# Altium PCB uTCA_MCH_PCB3.pcbdoc (part 8 of 25)
Units mil, origin at the board's own origin, x right, y up, seen from the top; angles counter-clockwise.
Board outline 7110.66 x 2894.12 mil, 12 copper layers (Top Layer, GND1, MidLayer1, PWR1, MidLayer2, GND2, PWR2, MidLayer3, GND3, MidLayer4, PWR3, Bottom Layer), stack 63.15 mil thick; 767 components, 905 nets, 4553 pads, 2832 vias.
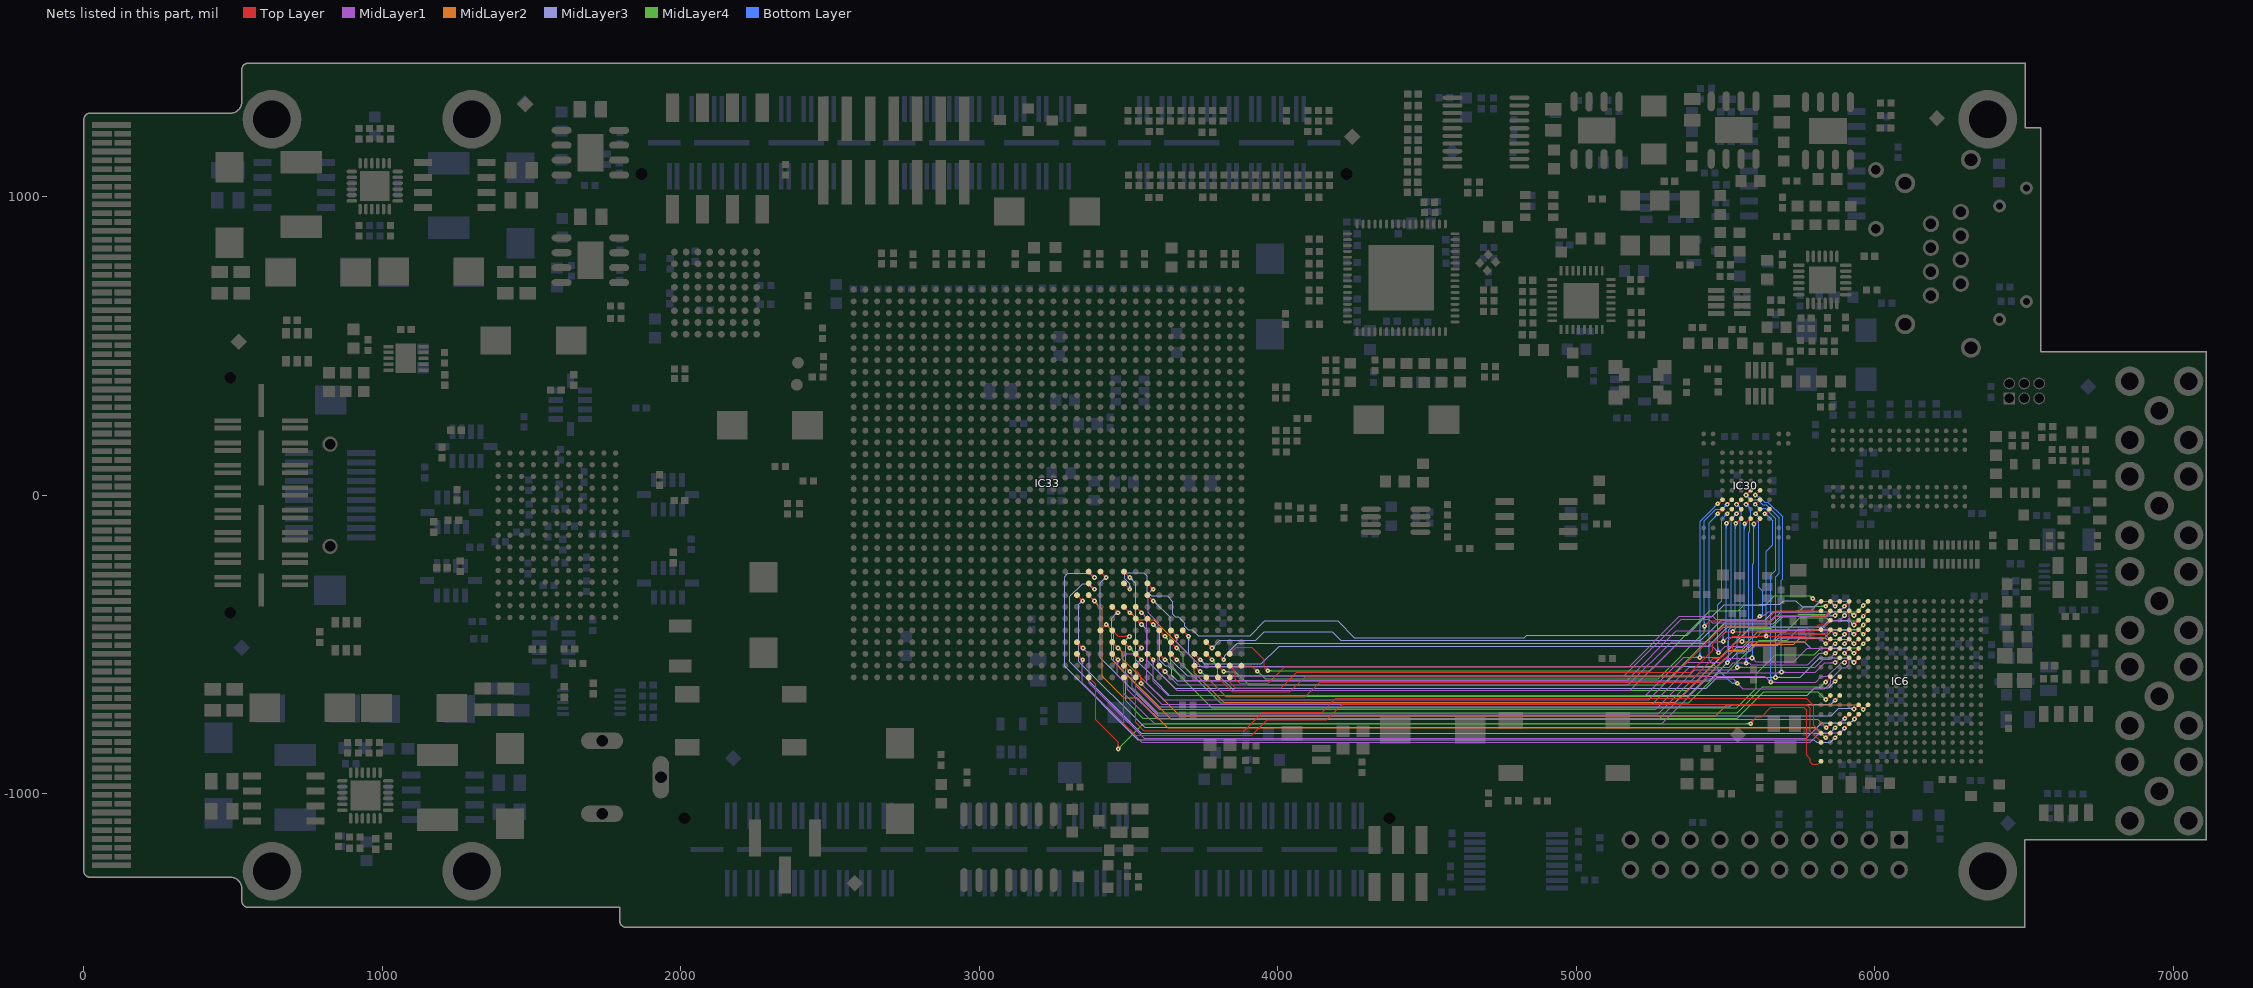
[diagram p18: the nets of this part, all layers, seen from the top]

## Via types
v1: diameter 15.75, hole 5.91, Top Layer to Bottom Layer, tented both sides, 2480 vias
v2: diameter 23.62, hole 11.81, Top Layer to Bottom Layer, tented both sides, 325 vias
v3: diameter 20, hole 10, Top Layer to Bottom Layer, tented both sides, 16 vias
v4: diameter 15.75, hole 7.87, Top Layer to Bottom Layer, tented both sides, 9 vias
v5: diameter 23.62, hole 11.81, Top Layer to Bottom Layer, 1 vias
v6: diameter 15.75, hole 5.91, Top Layer to Bottom Layer, 1 vias

## Nets (pads, with @x,y where several pads share a name; then routed paths per layer and width w, separated by ;. In a path a pad name is that pad's centre, name@x,y a point inside that pad or via, vN(x,y) a via of type N, cw(c..) or ccw(c..) an arc to the next point about the centre after c; other vN are vias at no path point) (continued)
EBI1_A1: IC6.F14 IC33.H30 | length 2751.5
  Top Layer w3.94: IC33.H30@3602.36,-452.76 v1(3622.05,-472.44) ; v1@3616.14,-472.44 ccw(c3601.88,-472.44) 3611.97,-462.36 ccw(c3622.05,-452.28) v1@3622.05,-466.54 ; v1(5961.34,-497.5) IC6.F14@5977.09,-481.75 ; v1@5961.34,-491.59 ccw(c5961.34,-477.33) 5971.42,-487.41 ccw(c5981.5,-497.5) v1@5967.24,-497.5
  MidLayer4 w3.94: v1@3620.08,-472.44 3641.73,-494.09 3641.73,-574.53 3778.66,-711.46 5537.54,-711.46 5602.33,-646.67 5602.33,-598.33 5665.83,-534.83 5797.17,-534.83 5821,-511 5947.83,-511 v1(5961.34,-497.5) ; v1@3622.05,-478.35 cw(c3622.05,-487.85) 3628.77,-481.13 ; v1@3624.02,-472.44 ccw(c3633.52,-472.44) 3626.8,-479.16 ; v1@3627.95,-472.44 ccw(c3646.96,-472.44) 3633.52,-485.88 ; v1@5955.43,-497.5 cw(c5941.18,-497.5) 5951.26,-507.58 cw(c5961.34,-517.66) v1@5961.34,-503.4
EBI1_A2: IC6.F18 IC33.D32 | length 2512.8
  Top Layer w3.94: IC33.D32@3759.84,-531.5 v1(3779.53,-551.18) ; v1@3773.62,-551.18 ccw(c3759.36,-551.18) 3769.45,-541.1 ccw(c3779.53,-531.02) v1@3779.53,-545.28 ; v1@5961.33,-367.57 ccw(c5961.33,-358.04) 5968.07,-364.78 ; v1@5961.33,-363.64 ccw(c5961.33,-344.6) IC6.F18@5974.79,-358.06 ; v1@5963.31,-369.54 IC6.F18@5977.09,-355.76 ; v1@5967.23,-369.54 cw(c5976.71,-369.54) 5970.01,-362.84
  MidLayer4 w3.94: v1@3777.56,-551.18 3799.21,-572.83 3799.21,-601.34 3851.97,-654.09 5371.5,-654.09 5486.22,-539.37 ; v1@3779.53,-557.09 cw(c3779.53,-566.59) 3786.25,-559.87 ; v1@3781.5,-551.18 ccw(c3791,-551.18) 3784.28,-557.9 ; v1@3785.43,-551.18 ccw(c3804.44,-551.18) 3791,-564.62 ; 5486.22,-539.32 5580.66,-444.88 5653,-444.88 5691.33,-406.55 5735.74,-406.55 5744.34,-397.95 5849.4,-397.95 5857.67,-389.68 5941.19,-389.68 v1(5961.33,-369.54) ; v1@5955.42,-369.54 cw(c5941.16,-369.54) 5951.25,-379.62 cw(c5961.33,-389.71) v1@5961.33,-375.45
EBI1_A3: IC6.F15 IC33.G31 | length 2644.5
  Top Layer w3.94: IC33.G31@3641.73,-492.13 v1(3661.42,-511.81) ; v1@3655.51,-511.81 ccw(c3641.26,-511.81) 3651.34,-501.73 ccw(c3661.42,-491.65) v1@3661.42,-505.91 ; v1(5961.34,-466) IC6.F15@5977.09,-450.25 ; v1@5961.34,-460.09 ccw(c5961.34,-445.84) 5971.42,-455.92 ccw(c5981.5,-466) v1@5967.24,-466
  MidLayer4 w3.94: v1@3661.42,-517.72 cw(c3661.42,-531.97) 3671.5,-521.89 cw(c3681.58,-511.81) v1@3667.32,-511.81 ; v1(3661.42,-511.81) 3683.07,-533.46 3683.07,-570.91 3806.93,-694.76 5376.24,-694.76 5476.79,-594.21 5503.84,-594.21 5612.05,-486 5706,-486 5741,-451 5946.34,-451 v1(5961.34,-466) ; v1@5955.43,-466 ccw(c5941.18,-466) 5951.26,-455.92 ccw(c5961.34,-445.84) v1@5961.34,-460.09
EBI1_A4: IC6.E14 IC33.J27 | length 2736
  Top Layer w3.94: IC33.J27@3564.96,-336.61 v1(3582.68,-354.33) ; v1@3576.77,-354.33 ccw(c3562.51,-354.33) 3572.6,-344.25 ccw(c3582.68,-334.17) v1@3582.68,-348.43 ; v1(5929.84,-497.5) IC6.E14@5945.59,-481.75 ; v1@5929.84,-491.59 ccw(c5929.84,-477.33) 5939.92,-487.41 ccw(c5950.01,-497.5) v1@5935.75,-497.5
  MidLayer3 w3.94: v1@3582.68,-360.24 cw(c3582.68,-379.25) 3596.12,-365.8 ; v1@3582.68,-356.3 cw(c3582.68,-365.8) 3589.4,-359.08 ; v1@3584.65,-354.33 3639.76,-409.45 3639.76,-549.21 3695.86,-605.31 5440.69,-605.31 5529,-517 5556,-517 5584,-489 5667,-489 5677.8,-478.2 5834.2,-478.2 5838,-482 5914.35,-482 v1(5929.84,-497.5) ; v1@3588.58,-354.33 ccw(c3598.09,-354.33) 3591.37,-361.05 ; v1@5923.94,-497.5 ccw(c5909.68,-497.5) 5919.76,-487.41 ccw(c5929.84,-477.33) v1@5929.84,-491.59
EBI1_A5: IC6.F17 IC33.E33 | length 2530.1
  Top Layer w3.94: IC33.E33@3720.47,-570.87 v1(3740.16,-590.55) ; v1@3734.25,-590.55 ccw(c3719.99,-590.55) 3730.08,-580.47 ccw(c3740.16,-570.39) v1@3740.16,-584.65 ; v1@5961.33,-403.01 IC6.F17@5977.09,-387.26 ; v1@5961.33,-399.07 ccw(c5961.33,-389.57) 5968.05,-396.29 ; v1@5963.3,-404.98 cw(c5972.8,-404.98) 5966.08,-398.25 ; v1@5967.23,-404.98 cw(c5986.24,-404.98) IC6.F17@5972.8,-391.53
  MidLayer4 w3.94: v1@3740.16,-596.46 cw(c3740.16,-615.47) 3753.6,-602.02 ; v1@3740.16,-592.52 cw(c3740.16,-602.02) 3746.88,-595.3 ; v1@3740.16,-588.58 3757.87,-606.3 ; v1@3746.06,-590.55 ccw(c3755.57,-590.55) 3748.85,-597.27 ; 3757.99,-606.3 3824.88,-673.19 5373.81,-673.19 5537,-510 5556,-510 5608,-458 5701,-458 5749,-410 5837,-410 5847,-420 5946.3,-420 v1(5961.33,-404.98) ; v1@5955.42,-404.98 cw(c5941.16,-404.98) 5951.25,-415.06 cw(c5961.33,-425.14) v1@5961.33,-410.88
EBI1_A6: IC6.F16 IC33.L28 | length 2860.2
  Top Layer w3.94: IC33.L28@3484.25,-374.02 v1(3503.94,-393.7) ; v1@3498.03,-393.7 ccw(c3483.77,-393.7) 3493.86,-383.62 ccw(c3503.94,-373.54) v1@3503.94,-387.8 ; v1(5961.34,-434.5) IC6.F16@5977.09,-418.76 ; v1@5961.34,-428.6 ccw(c5961.34,-414.34) 5971.42,-424.42 ccw(c5981.5,-434.5) v1@5967.24,-434.5
  MidLayer2 w3.94: v1@3503.94,-399.61 cw(c3503.94,-420.99) 3519.06,-405.87 ; v1@3503.94,-395.67 cw(c3503.94,-407.55) 3512.34,-399.15 ; v1@3505.91,-392.72 3529.53,-416.34 3584.04,-416.34 3720.47,-552.77 3720.47,-594.29 3819.13,-692.95 5332.05,-692.95 5504.92,-520.08 5563.8,-520.08 5584.04,-499.84 5728.44,-499.84 5748.45,-479.83 5830.11,-479.83 5860.5,-449.44 5946.4,-449.44 v1(5961.34,-434.5) ; v1@3509.84,-393.7 ccw(c3516.97,-393.7) 3511.93,-398.74 ; v1@5955.43,-434.5 cw(c5941.18,-434.5) 5951.26,-444.59 cw(c5961.34,-454.67) v1@5961.34,-440.41
EBI1_A7: IC6.E17 IC33.D31 | length 2367.7
  Top Layer w3.94: IC33.D31@3761.8,-494.09 v1(3779.52,-511.81) ; v1@3773.61,-511.81 ccw(c3759.36,-511.81) 3769.44,-501.73 ccw(c3779.52,-491.65) v1@3779.52,-505.9 ; v1(5929.84,-403.01) IC6.E17@5945.59,-387.26 ; v1@5929.84,-397.1 ccw(c5929.84,-382.85) 5939.92,-392.93 ccw(c5950.01,-403.01) v1@5935.75,-403.01
  MidLayer3 w3.94: v1(3779.52,-511.81) 3805.11,-486.22 3925.2,-486.22 3954.72,-456.69 4181.96,-456.69 4211.41,-486.14 4763.86,-486.14 4834.22,-486.13 4834.33,-486.24 5417.49,-486.24 5485.31,-418.42 5631.49,-418.42 5660.15,-389.76 5916.59,-389.76 v1(5929.84,-403.01) ; v1@3779.52,-505.9 ccw(c3779.52,-491.65) 3789.6,-501.73 ccw(c3799.68,-511.81) v1@3785.43,-511.81 ; v1@5923.94,-403.01 ccw(c5909.68,-403.01) 5919.76,-392.93 ccw(c5929.84,-382.85) v1@5929.84,-397.1
EBI1_A8: IC6.E15 IC33.F30 | length 2507.1
  Top Layer w3.94: IC33.F30@3683.07,-454.72 v1(3700.79,-472.44) ; v1@3694.88,-472.44 ccw(c3680.62,-472.44) 3690.71,-462.36 ccw(c3700.79,-452.28) v1@3700.79,-466.54 ; v1(5929.83,-466) IC6.E15@5945.59,-450.25 ; v1@5929.83,-460.09 ccw(c5929.83,-445.84) 5939.91,-455.92 ccw(c5949.99,-466) v1@5935.74,-466
  MidLayer3 w3.94: v1@3696.61,-476.62 cw(c3686.53,-486.7) 3700.79,-486.7 cw(c3715.04,-486.7) v1@3704.96,-476.62 ; v1(3700.79,-472.44) 3700.79,-531.1 3720.08,-550.39 3720.08,-564.96 3727.95,-572.83 5454.35,-572.83 5576.18,-451 5914.83,-451 v1(5929.83,-466) ; v1@5923.93,-466 ccw(c5909.67,-466) 5919.75,-455.92 ccw(c5929.83,-445.84) v1@5929.83,-460.09
EBI1_A9: IC6.E16 IC33.E32 | length 2402
  Top Layer w3.94: IC33.E32@3720.47,-531.5 v1(3740.16,-551.18) ; v1@3734.25,-551.18 ccw(c3719.99,-551.18) 3730.08,-541.1 ccw(c3740.16,-531.02) v1@3740.16,-545.28 ; v1(5929.84,-434.5) IC6.E16@5945.59,-418.76 ; v1@5929.84,-428.6 ccw(c5929.84,-414.34) 5939.92,-424.42 ccw(c5950.01,-434.5) v1@5935.75,-434.5
  MidLayer3 w3.94: v1@3740.16,-557.09 cw(c3740.16,-571.34) 3750.24,-561.26 cw(c3760.32,-551.18) v1@3746.06,-551.18 ; v1(3740.16,-551.18) 3753.94,-564.96 3944.72,-564.96 4003.78,-505.91 5442.09,-505.91 5507,-441 5826,-441 5848,-419 5914.34,-419 v1(5929.84,-434.5) ; v1@5923.94,-434.5 ccw(c5909.68,-434.5) 5919.76,-424.42 ccw(c5929.84,-414.34) v1@5929.84,-428.6
EBI1_A10: IC6.D18 IC33.G32 | length 2505.4
  Top Layer w3.94: IC33.G32@3641.73,-531.5 v1(3661.42,-551.18) ; v1@3655.51,-551.18 ccw(c3641.26,-551.18) 3651.34,-541.1 ccw(c3661.42,-531.02) v1@3661.42,-545.28 ; v1(5898.35,-371.51) IC6.D18@5914.09,-355.76 ; v1@5898.35,-365.61 ccw(c5898.35,-351.35) 5908.43,-361.43 ccw(c5918.51,-371.51) v1@5904.25,-371.51
  MidLayer1 w3.94: v1@3661.42,-557.09 cw(c3661.42,-571.34) 3671.5,-561.26 cw(c3681.58,-551.18) v1@3667.32,-551.18 ; v1(3661.42,-551.18) 3714.76,-604.53 5161.22,-604.53 5351.02,-414.72 5443.39,-414.72 5455.72,-427.05 5643.97,-427.05 5665.11,-405.91 5836.62,-405.91 5854.53,-388 5881.86,-388 v1(5898.35,-371.51) ; v1@5892.44,-371.51 cw(c5878.18,-371.51) 5888.27,-381.59 cw(c5898.35,-391.67) v1@5898.35,-377.42
EBI1_A11: IC6.D17 IC33.H32 | length 2531.6
  Top Layer w3.94: IC33.H32@3602.36,-531.5 v1(3622.05,-551.18) ; v1@3616.14,-551.18 ccw(c3601.88,-551.18) 3611.97,-541.1 ccw(c3622.05,-531.02) v1@3622.05,-545.28 ; v1(5898.35,-403.01) IC6.D17@5914.09,-387.26 ; v1@5898.35,-397.1 ccw(c5898.35,-382.85) 5908.43,-392.93 ccw(c5918.51,-403.01) v1@5904.25,-403.01
  MidLayer1 w3.94: v1@3622.05,-557.09 cw(c3622.05,-571.34) 3632.13,-561.26 cw(c3642.21,-551.18) v1@3627.95,-551.18 ; v1(3622.05,-551.18) 3690.08,-619.21 5170.16,-619.21 5334.65,-454.72 5480.31,-454.72 5492.13,-442.91 ; 5493.81,-441.75 5831.25,-441.75 5854,-419 5882.35,-419 v1(5898.35,-403.01) ; v1@5892.44,-403.01 cw(c5878.18,-403.01) 5888.27,-413.09 cw(c5898.35,-423.17) v1@5898.35,-408.91
EBI1_A12: IC6.C18 IC33.L26 | length 2848.6
  Top Layer w3.94: IC33.L26@3484.25,-295.28 v1(3503.94,-314.96) ; v1@3498.03,-314.96 ccw(c3483.77,-314.96) 3493.86,-304.88 ccw(c3503.94,-294.8) v1@3503.94,-309.06 ; v1(5866.85,-371.51) IC6.C18@5882.6,-355.76 ; v1@5866.85,-365.61 ccw(c5866.85,-351.35) 5876.93,-361.43 ccw(c5887.01,-371.51) v1@5872.76,-371.51
  MidLayer3 w3.94: v1@3499.76,-310.78 ccw(c3489.68,-300.7) 3503.94,-300.7 ccw(c3518.19,-300.7) v1@3508.11,-310.78 ; v1(3503.94,-314.96) 3503.94,-296.72 3487.03,-279.81 3487.03,-264.94 3492.13,-259.84 3551.18,-259.84 3562.99,-271.65 3562.99,-324.02 3576.38,-337.4 3590.16,-337.4 ; 3585.98,-337.42 3629.05,-337.42 3647.64,-356.01 3647.64,-398.02 3656.12,-406.5 3665.95,-406.5 3687.99,-428.54 3687.99,-438.37 3700.41,-450.79 3712.99,-450.79 3732.68,-470.47 3907.48,-470.47 3956.69,-421.26 4200.79,-421.26 4256.3,-476.77 4825,-476.77 4833.08,-468.69 5371.1,-468.69 5431.92,-407.87 5453.05,-407.87 5494.81,-366.11 5614.89,-366.11 5615,-366 5681,-366 5694.32,-352.68 5735.64,-352.68 5755.97,-373.01 5797.1,-373.01 5815.11,-355 5850.34,-355 v1(5866.85,-371.51) ; v1@5860.94,-371.51 ccw(c5846.69,-371.51) 5856.77,-361.43 ccw(c5866.85,-351.35) v1@5866.85,-365.61
EBI1_A13: IC6.B18 IC33.C33 | length 2283.9
  Top Layer w3.94: IC33.C33@3799.21,-570.87 v1(3818.9,-590.55) ; v1@3812.99,-590.55 ccw(c3798.73,-590.55) 3808.82,-580.47 ccw(c3818.9,-570.39) v1@3818.9,-584.65 ; v1@5835.35,-371.51 IC6.B18@5851.1,-355.76 ; v1@5835.34,-365.61 ccw(c5835.34,-351.32) 5845.44,-361.42 ; v1@5841.25,-371.51 cw(c5855.48,-371.51) 5845.42,-361.45
  MidLayer4 w3.94: v1(3818.9,-590.55) 3857.72,-590.55 3902.4,-635.24 5289.96,-635.24 5503.94,-421.26 5654,-421.26 5683.95,-391.31 5731.94,-391.31 5737.09,-386.16 5748.28,-386.16 5762.93,-371.51 v1(5835.34,-371.51) ; v1@3823.07,-594.73 cw(c3833.15,-604.81) 3833.15,-590.55 cw(c3833.15,-576.29) v1@3823.07,-586.38 ; v1@5831.17,-375.69 ccw(c5821.09,-385.77) 5821.09,-371.51 ccw(c5821.09,-357.25) v1@5831.17,-367.34
EBI1_A14: IC6.A18 IC33.B32 | length 2242
  Top Layer w3.94: IC33.B32@3838.58,-531.5 3860.12,-509.96 3887.56,-509.96 ; 3887.58,-509.94 3912.68,-509.94 3953.74,-551 3953.74,-575.91 v1@3960.91,-583.07 ; 3955.4,-577.56 ccw(c3965.75,-567.21) v1@3965.75,-581.85 ; 3955.78,-577.94 cw(c3945.97,-587.76) v1@3959.84,-587.76 ; v1(3965.75,-587.76) 3961.06,-583.07 v1@3960.91,-583.07 ; v1@3967.2,-589.37 v1@3960.91,-583.07 ; v1(5792,-346) 5801.76,-355.76 ; v1@5792.14,-351.9 cw(c5792.44,-365.09) 5801.76,-355.76 ; v1@5797.9,-346.14 ccw(c5811.09,-346.44) 5801.76,-355.76 ; IC6.A18@5819.61,-355.76 5801.76,-355.76
  MidLayer4 w3.94: v1(3965.75,-587.76) 5246.85,-587.76 5446.89,-387.71 5541.7,-387.71 5561.53,-367.88 5632.61,-367.88 5663.47,-337.02 5783.02,-337.02 ; v1@3969.92,-591.93 cw(c3980.01,-602.01) 3980.01,-587.76 cw(c3980.01,-573.5) v1@3969.92,-583.58 ; v1@5786.12,-345.5 ccw(c5775.45,-344.59) 5783.02,-337.02 ; v1@5791.5,-340.12 cw(c5790.59,-329.45) 5783.02,-337.02 ; v1(5792,-346) 5783.02,-337.02
EBI1_A15: IC6.B17 IC33.B33 | length 2154.6
  Top Layer w3.94: IC33.B33@3838.58,-570.87 3857.87,-590.16 3857.87,-616.49 3871.61,-630.23 3966.94,-630.23 4022.36,-574.8 5355.91,-574.8 5446.46,-484.25 5446.85,-484.25 5466.94,-464.16 5494.59,-436.52 5575,-436.52
  Top Layer w4: 5575,-436.52 5637.65,-436.52 5672.17,-402 5784.36,-402 5786.13,-403.77 5834.59,-403.77 IC6.B17@5851.1,-387.26
EBI1_A16: IC6.C10 IC33.L25 | length 2836.7
  Top Layer w3.94: IC33.L25@3484.25,-255.91 v1(3503.94,-275.59) ; v1@3498.03,-275.59 ccw(c3483.77,-275.59) 3493.86,-265.51 ccw(c3503.94,-255.43) v1@3503.94,-269.69 ; v1(5866.85,-623.48) IC6.C10@5882.6,-607.73 ; v1@5866.85,-617.57 ccw(c5866.85,-603.32) 5876.93,-613.4 ccw(c5887.01,-623.48) v1@5872.76,-623.48
  MidLayer3 w3.94: v1@3503.94,-281.5 cw(c3503.94,-295.75) 3514.02,-285.67 cw(c3524.1,-275.59) v1@3509.84,-275.59 ; v1(3503.94,-275.59) 3523.62,-295.28 3523.62,-550.67 3548.9,-575.94 ; 3550.81,-575.94 3582.56,-607.69 3582.56,-615.04 3636.81,-669.29 5774,-669.29 5798.63,-644.67 5845.67,-644.67 v1(5866.85,-623.48) ; v1@5860.94,-623.48 cw(c5846.69,-623.48) 5856.77,-633.56 cw(c5866.85,-643.64) v1@5866.85,-629.39
EBI1_A17: IC6.B10 IC33.L31 | length 2679.9
  Top Layer w3.94: IC33.L31@3484.25,-492.13 v1(3503.94,-511.81) ; v1@3498.03,-511.81 ccw(c3483.77,-511.81) 3493.86,-501.73 ccw(c3503.94,-491.65) v1@3503.94,-505.91 ; v1(5835.34,-625.45) 5851.1,-609.69 IC6.B10@5851.1,-607.73 ; v1@5835.34,-619.54 ccw(c5835.34,-605.28) 5845.42,-615.37 ccw(c5855.51,-625.45) v1@5841.25,-625.45
  MidLayer4 w3.94: v1@3501.97,-509.84 v1(3503.94,-511.81) 3523.62,-531.5 3523.62,-654.45 3597.2,-728.03 5538.97,-728.03 5625,-642 5818.79,-642 v1(5835.34,-625.45) ; v1@3503.94,-517.72 cw(c3503.94,-531.97) 3514.02,-521.89 cw(c3524.1,-511.81) v1@3509.84,-511.81 ; v1@5829.44,-625.45 cw(c5815.18,-625.45) 5825.26,-635.53 cw(c5835.34,-645.61) v1@5835.34,-631.35
EBI1_A18: IC6.C17 IC33.C32 | length 2247.5
  Top Layer w3.94: IC33.C32@3799.21,-531.5 v1(3818.9,-551.18) ; v1@3812.99,-551.18 ccw(c3798.73,-551.18) 3808.82,-541.1 ccw(c3818.9,-531.02) v1@3818.9,-545.28 ; v1@5866.85,-403.01 IC6.C17@5882.6,-387.26 ; v1@5866.84,-397.1 ccw(c5866.84,-382.81) 5876.94,-392.92 ; v1@5872.74,-403.01 cw(c5886.97,-403.01) 5876.91,-392.95
  MidLayer3 w3.94: v1@3816.98,-545.59 ccw(c3814.17,-537.4) 3822.83,-537.4 ; v1@3818.26,-549.32 ccw(c3816.06,-542.91) 3822.83,-542.91 ; v1@3822.83,-549.21 3822.83,-537.4 ; 4863.66,-496.06 3864.17,-496.06 3822.83,-537.4 ; 4863.82,-496.22 4880.26,-496.22 ; 4880.41,-496.06 4897.13,-496.06 ; 4897.28,-496.22 5429.55,-496.22 5494.74,-431.03 5658.97,-431.03 5686.99,-403.01 v1(5866.84,-403.01) ; v1@5862.66,-407.18 ccw(c5852.58,-417.26) 5852.58,-403.01 ccw(c5852.58,-388.75) v1@5862.66,-398.83
EBI1_A19: IC6.B8 IC33.M30 | length 2815.3
  Top Layer w3.94: IC33.M30@3444.88,-452.76 3465.13,-473 v1(3503,-473) ; v1@3498.82,-477.18 ccw(c3488.74,-487.26) 3488.74,-473 ccw(c3488.74,-458.74) v1@3498.82,-468.82 ; v1(5835.35,-684.5) 5849.13,-670.72 IC6.B8@5851.1,-670.72 ; v1@5835.35,-678.6 ccw(c5835.35,-664.34) 5845.44,-674.42 ccw(c5855.52,-684.5) v1@5841.26,-684.5
  MidLayer4 w3.94: v1@3497.09,-473 cw(c3482.84,-473) 3492.92,-483.08 cw(c3503,-493.16) v1@3503,-478.91 ; v1(3503,-473) 3490.16,-485.84 3490.16,-688.98 3547.44,-746.26 5539.74,-746.26 5628,-658 5808.85,-658 v1(5835.35,-684.5) ; v1@5829.45,-684.5 ccw(c5815.19,-684.5) 5825.27,-674.42 ccw(c5835.35,-664.34) v1@5835.35,-678.6
EBI1_A20: IC6.C8 IC33.M28 | length 2816.4
  Top Layer w3.94: IC33.M28@3444.88,-374.02 v1(3464.57,-393.7) ; v1@3458.66,-393.7 ccw(c3444.4,-393.7) 3454.49,-383.62 ccw(c3464.57,-373.54) v1@3464.57,-387.8 ; v1(5866.85,-686.47) IC6.C8@5882.6,-670.72 ; v1@5866.85,-680.57 ccw(c5866.85,-666.31) 5876.93,-676.39 ccw(c5887.01,-686.47) v1@5872.76,-686.47
  MidLayer3 w3.94: 3447.76,-406.57 cw(c3464.57,-423.37) v1@3464.57,-399.61 ; 3454.49,-399.85 cw(c3464.57,-409.93) v1@3464.57,-395.67 ; 3457.27,-397.06 ccw(c3453.91,-393.7) v1@3458.66,-393.7 ; v1@3462.6,-391.73 3442.91,-411.42 3442.91,-549.84 3497.58,-604.51 3602.07,-709 5513.37,-709 5522.93,-699.44 5676.13,-699.44 5676.24,-699.55 5853.77,-699.55 v1(5866.85,-686.47) ; v1@5860.94,-686.47 cw(c5846.69,-686.47) 5856.77,-696.55 cw(c5866.85,-706.64) v1@5866.85,-692.38
EBI1_D0: IC6.A17 IC30.H4 IC33.A33 | length 2694.1
  Top Layer w3.94: IC33.A33@3877.95,-570.87 3910.93,-570.87 3929.55,-589.49 v1@3930.41,-589.49 ; 3920.66,-580.17 cw(c3908.83,-592) v1@3925.56,-592 ; 3921.22,-580.72 ccw(c3929.55,-572.38) v1@3929.55,-584.17 ; v1(5429.13,-438.98) 5446.85,-421.26 5610.24,-421.26 5633.8,-421.26 5667.8,-387.26 IC6.A17@5819.61,-387.26 ; v1@5429.13,-433.07 ccw(c5429.13,-418.81) 5439.22,-428.9 ccw(c5449.3,-438.98) v1@5435.04,-438.98 ; v1(5505.13,-30.61) IC30.H4@5520.87,-14.86 ; v1@5505.13,-24.7 ccw(c5505.13,-10.45) 5515.21,-20.53 ccw(c5525.29,-30.61) v1@5511.03,-30.61
  MidLayer4 w3.94: v1@3927.48,-589.68 ccw(c3933.75,-589.68) v1@3929.32,-594.12 ; v1@3928.47,-594.73 cw(c3928.47,-616.97) 3944.2,-601.24 ; v1@3932.84,-589.68 3958.03,-614.88 5273.58,-614.88 5428.7,-459.76 v1@5428.7,-439.29 ; v1@5424.96,-443.15 cw(c5415.92,-452.19) 5428.7,-452.19 ; 5428.7,-454.28 cw(c5444.44,-454.28) v1@5433.31,-443.15
  Bottom Layer w3.94: v1@5424.96,-434.8 ccw(c5415.92,-425.76) 5428.7,-425.76 ; v1@5428.7,-438.27 5428.7,-85.77 5467.53,-46.94 ; 5428.7,-423.67 ccw(c5444.44,-423.67) v1@5433.31,-434.8 ; 5467.32,-46.85 5488.89,-46.85 v1(5505.13,-30.61) ; v1@5499.22,-30.61 cw(c5484.96,-30.61) 5495.04,-40.69 cw(c5505.13,-50.77) v1@5505.13,-36.51
  other v1: 3930.96,-589.72
EBI1_D1: IC6.D15 IC30.J4 IC33.J26 | length 3506.6
  Top Layer w3.94: IC33.J26@3562.99,-295.28 v1(3582.68,-314.96) ; v1@3576.77,-314.96 ccw(c3562.51,-314.96) 3572.6,-304.88 ccw(c3582.68,-294.8) v1@3582.68,-309.06 ; v1(5505.14,-62.1) IC30.J4@5520.88,-46.36 ; v1@5505.14,-56.2 ccw(c5505.14,-41.94) 5515.22,-52.02 ccw(c5525.3,-62.1) v1@5511.04,-62.1 ; v1(5898.35,-466) IC6.D15@5914.09,-450.25 ; v1@5898.35,-460.09 ccw(c5898.35,-445.84) 5908.43,-455.92 ccw(c5918.51,-466) v1@5904.25,-466
  MidLayer1 w3.94: 3569.24,-326.43 cw(c3582.68,-339.88) v1@3582.68,-320.87 ; 3573.99,-321.68 ccw(c3567.27,-314.96) v1@3576.77,-314.96 ; 3575.96,-319.71 cw(c3582.68,-326.43) v1@3582.68,-316.93 ; v1@3580.71,-314.96 3564.96,-330.71 3564.96,-394.22 3598.43,-427.69 3598.43,-590.59 3661.65,-653.82 5180.83,-653.82 5330.71,-503.94 5452.76,-503.94 v1(5476.38,-527.56) ; v1@5470.47,-527.56 ccw(c5456.22,-527.56) 5466.3,-517.48 ccw(c5476.38,-507.4) 5476.38,-521.65 ccw(c5476.38,-507.4) 5486.46,-517.48 ccw(c5496.54,-527.56) v1@5482.28,-527.56 ; v1@5474,-527.56 v1(5476.38,-527.56) ; v1@5892.44,-466 cw(c5878.18,-466) 5888.27,-476.08 cw(c5898.35,-486.16) v1@5898.35,-471.91 ; v1(5898.35,-466) 5881.35,-483 5849,-483 5830,-464 5681,-464 5655.5,-489.5 5593.78,-489.5 5578,-505.28 5498.66,-505.28 v1(5476.38,-527.56)
  Bottom Layer w3.94: v1@5472.2,-523.38 ccw(c5468.01,-519.19) 5473.94,-519.19 ; 5473.94,-516.92 ccw(c5487.02,-516.92) v1@5477.77,-526.17 ; 5473.94,-507.42 ccw(c5496.52,-507.42) v1@5480.55,-523.38 ; v1@5476.89,-525.79 5473.94,-522.84 5473.94,-366.65 5487.59,-353 5487.59,-79.99 v1@5505.01,-62.57 ; 5494.82,-72.76 ccw(c5484.15,-62.1) v1@5499.23,-62.1 ; 5495.63,-71.95 cw(c5505.14,-81.45) v1@5505.14,-68.01
EBI1_D2: IC6.C15 IC30.K4 IC33.H33 | length 3039.7
  Top Layer w3.94: IC33.H33@3602.36,-570.87 v1(3622.05,-590.55) ; v1@3616.14,-590.55 ccw(c3601.88,-590.55) 3611.97,-580.47 ccw(c3622.05,-570.39) v1@3622.05,-584.65 ; v1@5503.16,-91.63 ccw(c5503.16,-82.1) 5509.9,-88.84 ; v1@5503.16,-87.69 ccw(c5503.16,-68.66) IC30.K4@5516.62,-82.12 ; v1@5505.14,-93.6 IC30.K4@5520.88,-77.85 ; v1@5509.06,-93.6 cw(c5518.54,-93.6) 5511.84,-86.9 ; v1(5866.85,-466) IC6.C15@5882.6,-450.25 ; v1@5866.85,-460.09 ccw(c5866.85,-445.84) 5876.93,-455.92 ccw(c5887.01,-466) v1@5872.76,-466
  MidLayer1 w3.94: v1@3620.08,-590.55 3657.48,-627.95 3665.16,-635.63 5173.43,-635.63 5318.9,-490.16 v1(5492.13,-490.16) 5507.07,-475.22 5603.78,-475.22 5626,-453 5853.85,-453 v1(5866.85,-466) ; v1@3622.05,-596.46 cw(c3622.05,-605.96) 3628.77,-599.24 ; v1@3624.02,-590.55 ccw(c3633.52,-590.55) 3626.8,-597.27 ; v1@3627.95,-590.55 ccw(c3646.96,-590.55) 3633.52,-603.99 ; v1@5487.95,-494.33 ccw(c5477.87,-504.41) 5477.87,-490.16 ccw(c5477.87,-475.9) v1@5487.95,-485.98 ; v1@5492.13,-484.25 ccw(c5492.13,-469.99) 5502.21,-480.08 ccw(c5512.29,-490.16) v1@5498.03,-490.16 ; v1@5860.94,-466 ccw(c5846.69,-466) 5856.77,-455.92 ccw(c5866.85,-445.84) v1@5866.85,-460.09
  Bottom Layer w3.94: v1@5487.95,-485.98 ccw(c5478.82,-476.85) 5491.73,-476.85 ; v1@5491.73,-486.34 5491.73,-466 5501.78,-455.95 v1@5501.78,-94.18 ; 5491.73,-474.95 ccw(c5507.33,-474.95) v1@5496.3,-485.98 ; v1@5498.98,-97.78 cw(c5492.23,-104.53) 5501.78,-104.53 ; 5501.78,-111.18 cw(c5520.74,-111.18) v1@5507.33,-97.78 ; 5501.78,-101.68 cw(c5511.23,-101.68) v1@5504.55,-94.99 ; v1@5503.16,-93.84 v1@5503.57,-94.25
  other v1: 5503.16,-93.6
EBI1_D3: IC6.B16 IC30.K5 IC33.B34 | length 2650.4
  Top Layer w3.94: IC33.B34@3838.58,-610.24 3838.58,-625.98 3857.95,-645.35 4011.02,-645.35 4063.98,-592.4 5383.86,-592.4 5456.69,-519.57 5456.69,-498.03 5498.03,-456.69 v1(5523.62,-456.69) 5765,-456.69 5779.32,-442.38 5801.62,-442.38 5809.95,-434.05 5835.81,-434.05 IC6.B16@5851.1,-418.76 ; v1@5519.45,-460.87 ccw(c5509.36,-470.95) 5509.36,-456.69 ccw(c5509.36,-442.44) v1@5519.45,-452.52 ; v1@5527.8,-460.87 cw(c5537.88,-470.95) 5537.88,-456.69 cw(c5537.88,-442.44) v1@5527.8,-452.52 ; v1@5533.67,-92.33 ccw(c5533.67,-82.11) 5540.9,-89.34 ; v1@5533.67,-88.39 ccw(c5533.67,-68.67) IC30.K5@5547.62,-82.62 ; v1@5536.63,-93.6 IC30.K5@5552.38,-77.85 ; v1@5539.57,-94.3 cw(c5548.36,-94.3) 5542.15,-88.09